# KiCad board Custom ESC.kicad_pcb (continued)
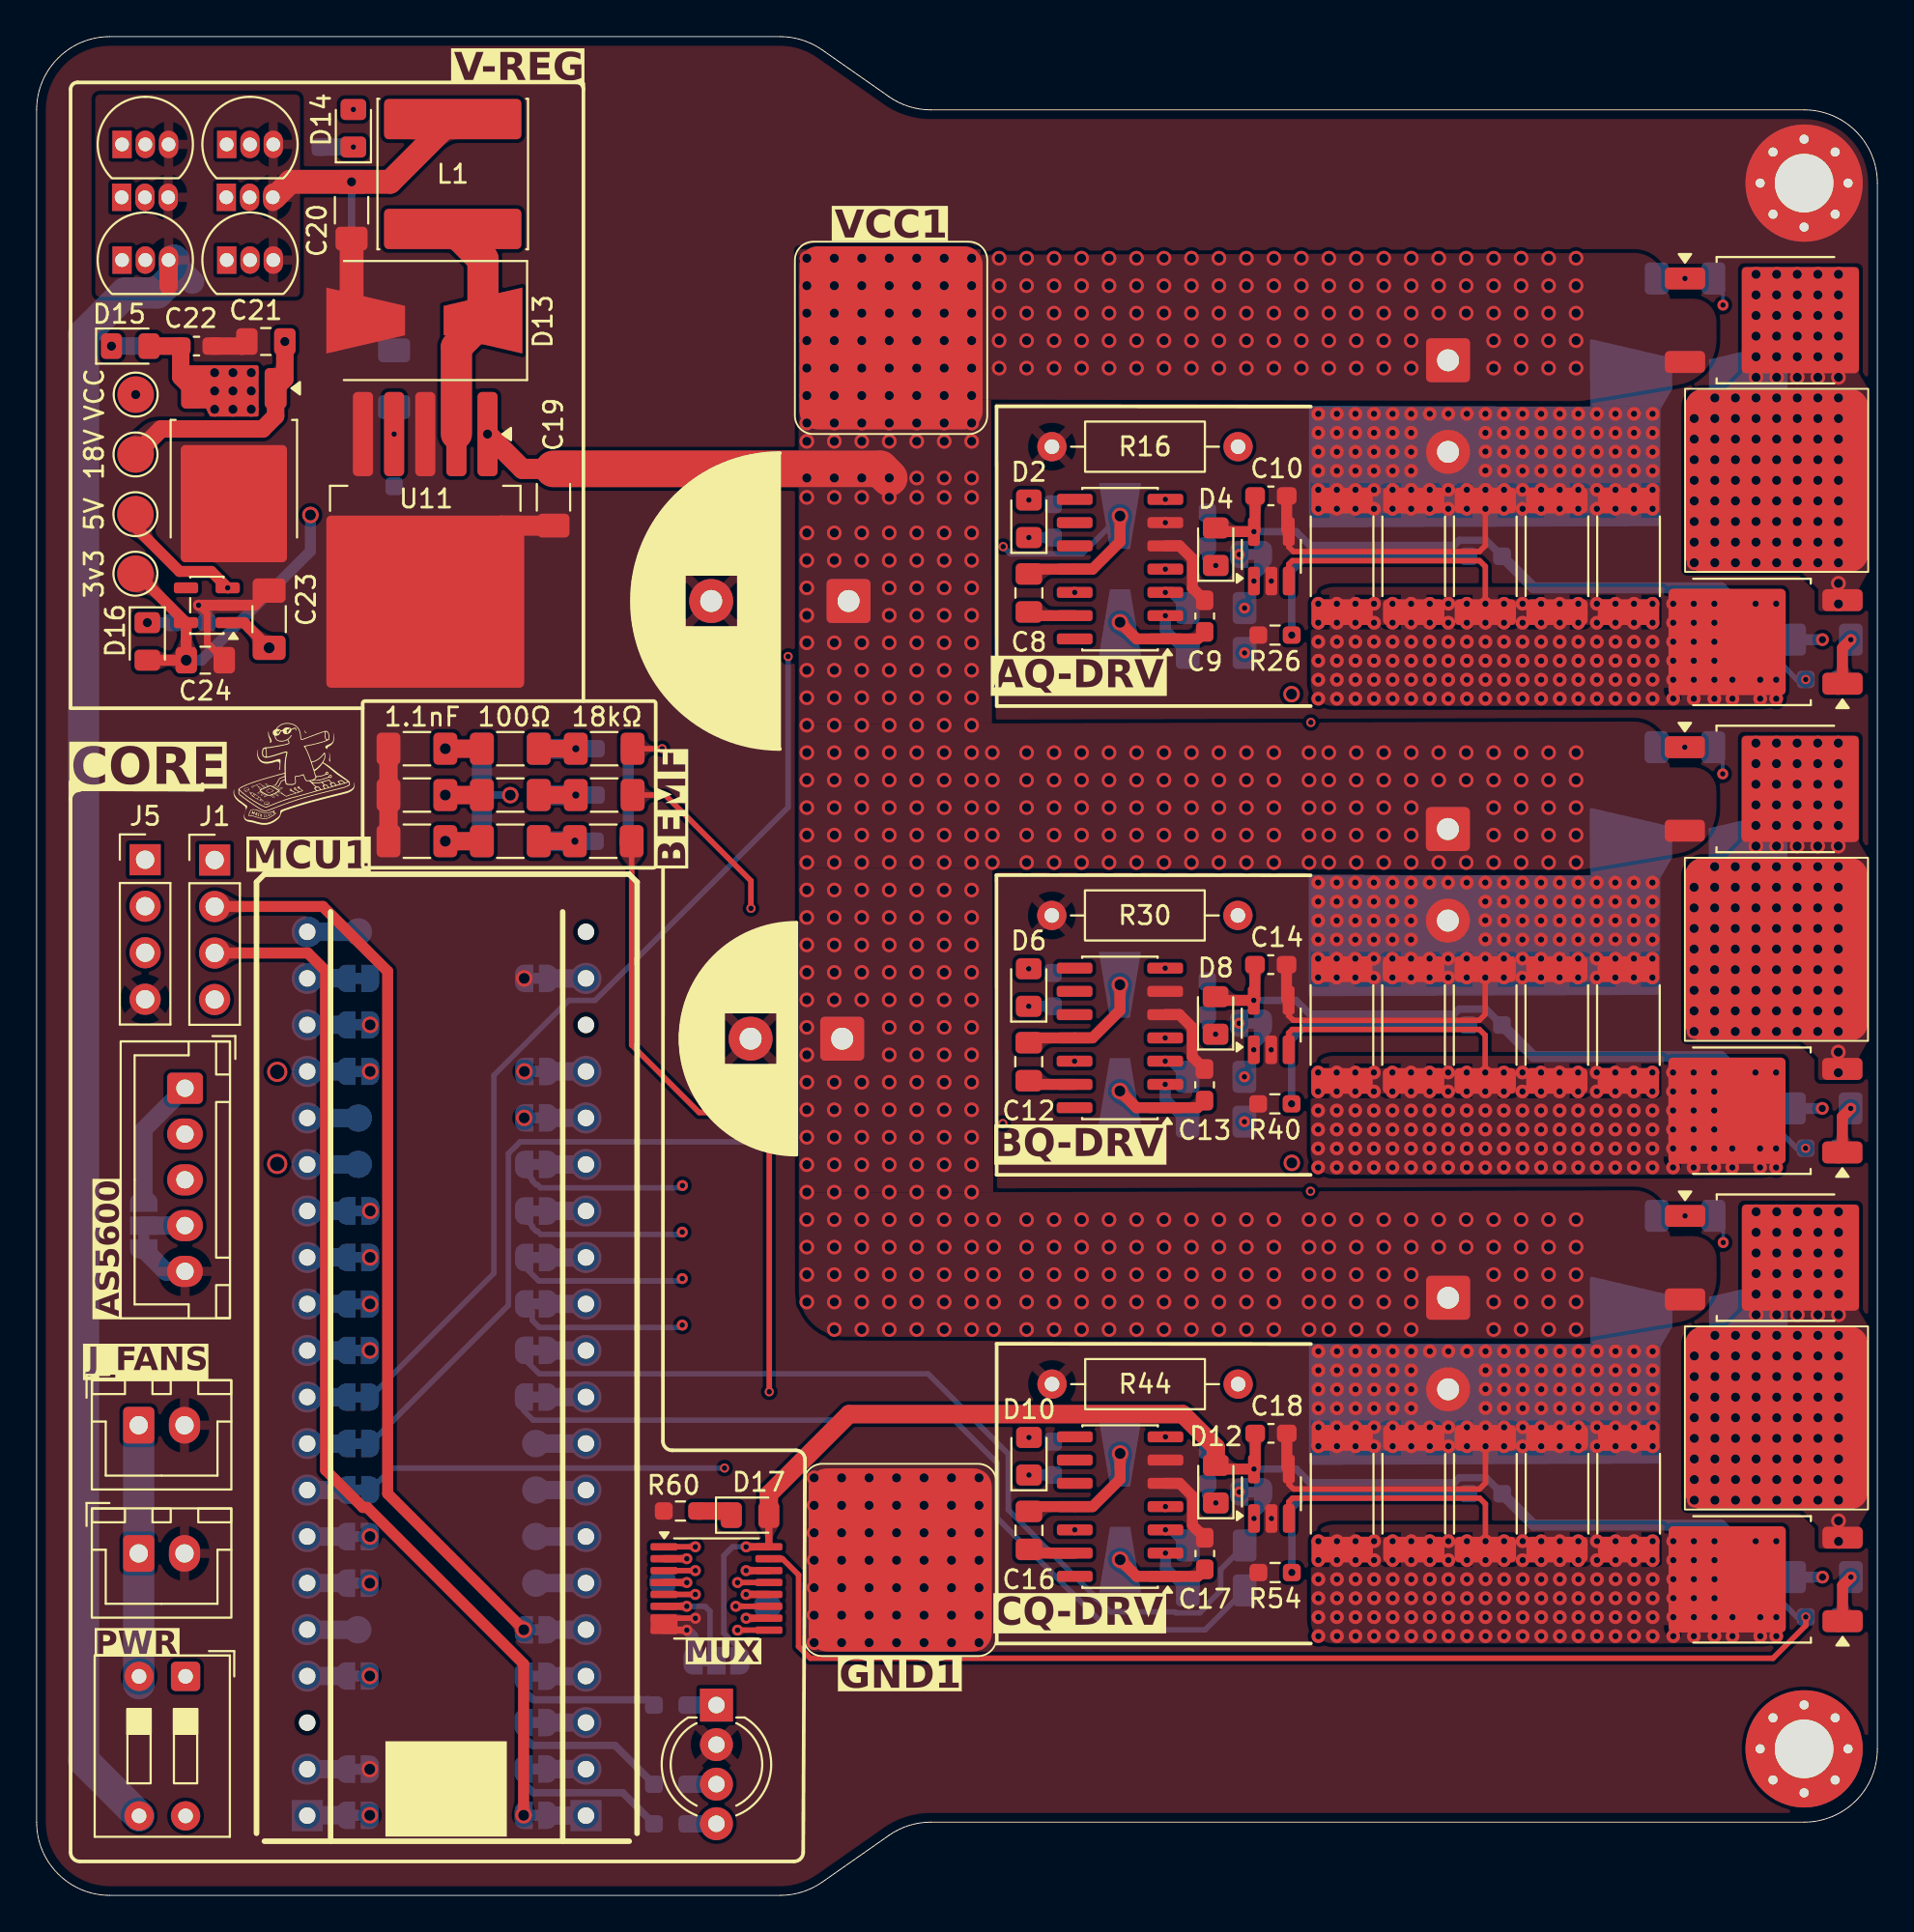
[diagram p0: board, top side]
## Routing (per net, layer and track width the routed paths; a pad name or vN(x,y) marks a point on that pad's centre or on a via; arc(x,y) is an arc through that point) (continued)
/A_BEMF: length 31.5
  Top w1: R4.1 v4(22.31,62.61)
  In2.Cu w0.4: v4(22.31,62.61) 20.1,60.4 20.1,36.73 v4(18.21,34.84)
/A_HIN: length 66.1
  In3.Cu w0.3: v3(35.25,36.22) 36.45,37.42 36.45,59.36 41.74,64.65 62.75,64.65 v3(65.95,67.85)
  Bottom w0.3: JP25.1 26.62,36.99 27.06,36.55 27.06,36.48 27.27,36.27 27.34,36.27 27.52,36.09 35.12,36.09 v3(35.25,36.22)
/A_I: length 78.4
  In2.Cu w0.3: v3(65.66,73.22) 65.61,73.27 56.82,73.27 52.75,69.2 52.75,68.1 52.3,67.65 v6(41.03,67.65)
  Bottom w0.3: v6(41.03,67.65) 41.03,59.42 30.49,48.87 29.05,48.87 24.97,44.79 24.97,33.97 JP17.1
/A_LIN: length 65.5
  In3.Cu w0.3: v3(35.26,38.76) 35.25,38.77 35.25,59.66 41.74,66.15 61.8,66.15 v3(65.95,70.3)
  Bottom w0.3: JP27.1 26.62,39.53 27.06,39.09 27.06,39.02 27.27,38.81 27.34,38.81 27.51,38.64 35.14,38.64 v3(35.26,38.76)
/A_PHASE: length 80.8
  Top w0.3: R5.2 v6(34.15,62.61)
  Top w0.6: C8.2 54.44,72.42 U1.11 57.65,72.42 59.15,73.92 v4(59.15,75.32)
  In2.Cu w0.3: v6(34.15,62.61) 34.15,72.48 35.32,73.65 v6(52.77,73.65)
  In2.Cu w0.95: 92.37,73.12 69.75,73.12 65.67,77.21 61.03,77.21 v4(59.15,75.32)
  Bottom w0.3: v6(52.77,73.65) 53.16,73.26 57.09,73.26 v4(59.15,75.32)
  vias: v2(90.5,80.65) v2(90.5,79.52) v2(90.5,78.4) v2(90.5,77.27) v2(90.5,76.15) v2(90.5,75.02) v2(90.5,73.9) v2(90.5,72.77) v2(91.62,81.77) v2(91.62,80.65) v2(91.62,79.52) v2(91.62,78.4) v2(91.62,77.27) v2(91.62,76.15) v2(91.62,75.02) v2(91.62,73.9) v2(91.62,72.77) v2(92.75,81.77) v2(92.75,80.65) v2(92.75,79.52) v2(92.75,78.4) v2(92.75,77.27) v2(92.75,76.15) v2(92.75,75.02) v2(92.75,73.9) v2(92.75,72.77) v2(93.88,88.52) v2(93.88,87.4) v2(93.88,86.27) v2(93.88,85.15) v2(93.88,84.02) v2(93.88,82.9) v2(93.88,81.77) v2(93.88,80.65) v2(93.88,79.52) v2(93.88,78.4) v2(93.88,77.27) v2(93.88,76.15) v2(93.88,75.02) v2(93.88,73.9) v2(93.88,72.77) v2(95,88.52) v2(95,87.4) v2(95,86.27) v2(95,85.15) v2(95,84.02) v2(95,82.9) v2(95,81.77) v2(95,80.65) v2(95,79.52) v2(95,78.4) v2(95,77.27) v2(95,76.15) v2(95,75.02) v2(95,73.9) v2(95,72.77) v2(96.12,88.52) v2(96.12,87.4) v2(96.12,86.27) v2(96.12,85.15) v2(96.12,84.02) v2(96.12,82.9) v2(96.12,81.77) v2(96.12,80.65) v2(96.12,79.52) v2(96.12,78.4) v2(96.12,77.27) v2(96.12,76.15) v2(96.12,75.02) v2(96.12,73.9) v2(96.12,72.77) v2(97.25,88.52) v2(97.25,87.4) v2(97.25,86.27) v2(97.25,85.15) v2(97.25,84.02) v2(97.25,82.9) v2(97.25,81.77) v2(97.25,80.65) v2(97.25,79.52) v2(97.25,78.4) v2(97.25,77.27) v2(97.25,76.15) v2(97.25,75.02) v2(97.25,73.9) v2(97.25,72.77) v2(98.38,88.52) v2(98.38,87.4) v2(98.38,86.27) v2(98.38,85.15) v2(98.38,84.02) v2(98.38,82.9) v2(98.38,81.77) v2(98.38,80.65) v2(98.38,79.52) v2(98.38,78.4) v2(98.38,77.27) v2(98.38,76.15) v2(98.38,75.02) v2(98.38,73.9) v2(98.38,72.77) v2(98.38,71.65) v2(98.38,70.52)
/A_Q1: length 126
  Top w0.4: v3(38.73,16.43) U16.12
  In2.Cu w0.3: v6(69.57,64.05) 66.54,64.05 60.27,70.32 58.05,70.32 52.38,64.65 41.74,64.65 39.33,62.24 39.33,60.6 33.83,55.1 33.83,15.24 35.23,13.83 36.23,13.83 37.1,14.7 37.1,15.63 37.9,16.43 v3(38.73,16.43)
  In3.Cu w0.3: v6(69.57,64.05) 95.01,64.05 96.59,65.63 v6(96.59,66.4)
  Bottom w0.3: 93.34,67.53 TH1.2 94.96,67.53 96.1,66.4 v6(96.59,66.4)
/A_Q2: length 94
  Top w0.3: v3(35.97,19.03) U16.1
  In2.Cu w0.3: v6(41.03,46.78) 41.03,42.95 39.2,41.12 36.17,41.12 34.33,39.28 34.33,20.67 v3(35.97,19.03)
  In3.Cu w0.3: v5(68.53,68.82) 62.85,63.15 41.74,63.15 41.03,62.44 v6(41.03,46.78)
  Bottom w0.4: v5(68.53,68.82) 68.53,72.34 69.31,73.12 78.18,73.12 TH2.2
/B_BEMF: length 31.5
  Top w1: R6.1 v4(22.31,60.08)
  In2.Cu w0.4: v4(22.31,60.08) 21.19,58.96 21.19,35.28 v4(18.2,32.29)
/B_HIN: length 45.7
  In3.Cu w0.3: v3(35.25,31.14) 36.42,32.31 36.42,33.83 41.74,39.15 62.84,39.15 v3(65.94,42.25)
  Bottom w0.3: JP20.1 27.06,31.86 27.06,31.4 27.46,31.01 35.12,31.01 v3(35.25,31.14)
/B_I: length 62.6
  In2.Cu w0.3: v6(52.75,42.15) 52.75,42.56 58.28,48.08 65.19,48.08 v3(65.65,47.62)
  In3.Cu w0.3: v6(41.03,41.15) 41.03,41.44 41.74,42.15 v6(52.75,42.15)
  Bottom w0.3: JP15.1 25.76,32.22 25.76,40.51 26.4,41.15 v6(41.03,41.15)
/B_LIN: length 45
  In3.Cu w0.3: v3(65.94,44.7) 61.89,40.65 41.74,40.65 35.25,34.16 v3(35.25,33.68)
  Bottom w0.3: JP22.1 26.62,34.35 27.42,33.55 35.12,33.55 v3(35.25,33.68)
/B_PHASE: length 75.5
  Top w0.3: R7.2 34.31,60.08 39,55.4 v6(39,53.9)
  Top w0.6: C12.2 54.43,46.82 U3.11 57.64,46.82 59.14,48.32 v4(59.14,49.72) ; 32.54,60.09 R7.2
  In2.Cu w0.3: v4(59.14,49.72) 59.07,49.65 41.74,49.65 40.84,50.55 40.84,52.06 v6(39,53.9)
  In2.Cu w0.95: v4(59.14,49.72) 61.03,51.61 65.66,51.61 69.74,47.52 92.36,47.52
  vias: v2(90.49,55.05) v2(90.49,53.92) v2(90.49,52.8) v2(90.49,51.67) v2(90.49,50.55) v2(90.49,49.42) v2(90.49,48.3) v2(90.49,47.17) v2(91.62,56.17) v2(91.62,55.05) v2(91.62,53.92) v2(91.62,52.8) v2(91.62,51.67) v2(91.62,50.55) v2(91.62,49.42) v2(91.62,48.3) v2(91.62,47.17) v2(92.74,56.17) v2(92.74,55.05) v2(92.74,53.92) v2(92.74,52.8) v2(92.74,51.67) v2(92.74,50.55) v2(92.74,49.42) v2(92.74,48.3) v2(92.74,47.17) v2(93.87,62.92) v2(93.87,61.8) v2(93.87,60.67) v2(93.87,59.55) v2(93.87,58.42) v2(93.87,57.3) v2(93.87,56.17) v2(93.87,55.05) v2(93.87,53.92) v2(93.87,52.8) v2(93.87,51.67) v2(93.87,50.55) v2(93.87,49.42) v2(93.87,48.3) v2(93.87,47.17) v2(94.99,62.92) v2(94.99,61.8) v2(94.99,60.67) v2(94.99,59.55) v2(94.99,58.42) v2(94.99,57.3) v2(94.99,56.17) v2(94.99,55.05) v2(94.99,53.92) v2(94.99,52.8) v2(94.99,51.67) v2(94.99,50.55) v2(94.99,49.42) v2(94.99,48.3) v2(94.99,47.17) v2(96.12,62.92) v2(96.12,61.8) v2(96.12,60.67) v2(96.12,59.55) v2(96.12,58.42) v2(96.12,57.3) v2(96.12,56.17) v2(96.12,55.05) v2(96.12,53.92) v2(96.12,52.8) v2(96.12,51.67) v2(96.12,50.55) v2(96.12,49.42) v2(96.12,48.3) v2(96.12,47.17) v2(97.24,62.92) v2(97.24,61.8) v2(97.24,60.67) v2(97.24,59.55) v2(97.24,58.42) v2(97.24,57.3) v2(97.24,56.17) v2(97.24,55.05) v2(97.24,53.92) v2(97.24,52.8) v2(97.24,51.67) v2(97.24,50.55) v2(97.24,49.42) v2(97.24,48.3) v2(97.24,47.17) v2(98.37,62.92) v2(98.37,61.8) v2(98.37,60.67) v2(98.37,59.55) v2(98.37,58.42) v2(98.37,57.3) v2(98.37,56.17) v2(98.37,55.05) v2(98.37,53.92) v2(98.37,52.8) v2(98.37,51.67) v2(98.37,50.55) v2(98.37,49.42) v2(98.37,48.3) v2(98.37,47.17) v2(98.37,46.05) v2(98.37,44.92)
/B_Q1: length 90.1
  Top w0.4: v3(38.73,17.73) U16.14
  In2.Cu w0.3: v6(69.55,38.45) 65.75,38.45 59.47,44.72 57.07,44.72 51.5,39.15 41.74,39.15 36.96,34.37 36.96,19.51 v3(38.73,17.73)
  In3.Cu w0.3: v6(96.58,40.8) 96.58,40.32 94.71,38.45 v6(69.55,38.45)
  Bottom w0.3: v6(96.58,40.8) 96.09,40.8 94.95,41.94 TH3.2 93.33,41.93
/B_Q2: length 69.3
  Top w0.3: v3(35.97,16.43) U16.5
  In3.Cu w0.3: v3(35.97,16.43) 35.23,16.43 34.85,16.81 34.85,22.88 34.85,22.88 34.85,23.78 34.85,28.62 37.45,31.22 37.45,33.36 41.74,37.65 62.94,37.65 v5(68.52,43.22)
  Bottom w0.4: TH4.2 78.17,47.52 69.3,47.52 68.52,46.74 v5(68.52,43.22)
/C_BEMF: length 31.5
  Top w1: R8.1 v4(22.31,57.56)
  In2.Cu w0.4: v4(22.31,57.56) 22.31,33.87 v4(18.2,29.76)
/C_HIN: length 47.7
  Bottom w0.3: JP16.1 26.61,26.46 27.11,25.95 50.1,25.95 52.45,23.6 52.45,20.6 58.55,14.5 63.8,14.5 R42.1
/C_I: length 49
  In2.Cu w0.3: v3(65.67,22.03) 65.39,22.3 53.91,22.3 52.32,23.9 38.12,23.9 v6(37.56,23.33)
  Bottom w0.3: JP14.1 19.41,23.33 v6(37.56,23.33)
/C_LIN: length 49.6
  Bottom w0.3: JP18.1 26.61,29.31 27.44,28.48 48.67,28.48 53.05,24.1 53.05,21.06 57.66,16.46 57.66,16.38 57.86,16.18 57.93,16.18 58.63,15.48 62.15,15.48 62.2,15.43 63.51,15.43 63.86,15.77 63.86,15.84 64.65,16.64 64.65,17.8 R43.1
/C_PHASE: length 98.2
  Top w0.3: R9.2 32.49,46.44 36.17,42.75 38.95,42.75 40,41.7 v6(40,27.5)
  Top w0.6: v4(59.16,24.13) 59.16,22.73 57.65,21.23 U5.11 54.44,21.23 C16.2
  In2.Cu w0.95: 92.38,21.93 69.75,21.93 65.67,26.01 61.04,26.01 v4(59.16,24.13)
  In3.Cu w0.3: v4(59.16,24.13) 57.6,24.13 54.23,27.5 v6(40,27.5)
  vias: v2(90.5,29.45) v2(90.5,28.33) v2(90.5,27.2) v2(90.5,26.08) v2(90.5,24.95) v2(90.5,23.83) v2(90.5,22.7) v2(90.5,21.58) v2(91.63,30.58) v2(91.63,29.45) v2(91.63,28.33) v2(91.63,27.2) v2(91.63,26.08) v2(91.63,24.95) v2(91.63,23.83) v2(91.63,22.7) v2(91.63,21.58) v2(92.75,30.58) v2(92.75,29.45) v2(92.75,28.33) v2(92.75,27.2) v2(92.75,26.08) v2(92.75,24.95) v2(92.75,23.83) v2(92.75,22.7) v2(92.75,21.58) v2(93.88,37.33) v2(93.88,36.2) v2(93.88,35.08) v2(93.88,33.95) v2(93.88,32.83) v2(93.88,31.7) v2(93.88,30.58) v2(93.88,29.45) v2(93.88,28.33) v2(93.88,27.2) v2(93.88,26.08) v2(93.88,24.95) v2(93.88,23.83) v2(93.88,22.7) v2(93.88,21.58) v2(95,37.33) v2(95,36.2) v2(95,35.08) v2(95,33.95) v2(95,32.83) v2(95,31.7) v2(95,30.58) v2(95,29.45) v2(95,28.33) v2(95,27.2) v2(95,26.08) v2(95,24.95) v2(95,23.83) v2(95,22.7) v2(95,21.58) v2(96.13,37.33) v2(96.13,36.2) v2(96.13,35.08) v2(96.13,33.95) v2(96.13,32.83) v2(96.13,31.7) v2(96.13,30.58) v2(96.13,29.45) v2(96.13,28.33) v2(96.13,27.2) v2(96.13,26.08) v2(96.13,24.95) v2(96.13,23.83) v2(96.13,22.7) v2(96.13,21.58) v2(97.25,37.33) v2(97.25,36.2) v2(97.25,35.08) v2(97.25,33.95) v2(97.25,32.83) v2(97.25,31.7) v2(97.25,30.58) v2(97.25,29.45) v2(97.25,28.33) v2(97.25,27.2) v2(97.25,26.08) v2(97.25,24.95) v2(97.25,23.83) v2(97.25,22.7) v2(97.25,21.58) v2(98.38,37.33) v2(98.38,36.2) v2(98.38,35.08) v2(98.38,33.95) v2(98.38,32.83) v2(98.38,31.7) v2(98.38,30.58) v2(98.38,29.45) v2(98.38,28.33) v2(98.38,27.2) v2(98.38,26.08) v2(98.38,24.95) v2(98.38,23.83) v2(98.38,22.7) v2(98.38,21.58) v2(98.38,20.45) v2(98.38,19.33)
/C_Q1: length 66.1
  Top w0.3: U16.15 40.72,18.38 41.6,17.5 41.6,13.59 42.24,12.95 94.8,12.95 96.59,14.74 v6(96.59,15.2)
  Bottom w0.3: v6(96.59,15.2) 96.1,15.2 94.97,16.34 TH5.2 93.34,16.34
/C_Q2: length 53.3
  Top w0.4: v3(35.5,18.38) U16.2
  In3.Cu w0.3: v3(35.5,18.38) 39,18.38 41.6,15.79 41.6,13.59 42.24,12.95 63.85,12.95 v5(68.53,17.63)
  Bottom w0.4: TH6.2 78.19,21.93 69.31,21.93 68.53,21.14 v5(68.53,17.63)
/CORE/A8: length 49.9
  Top w0.6: J1.2 15.63,54 19.17,50.46 19.17,21.94 v4(26.6,14.5)
/CORE/B10: length 42.8
  In2.Cu w0.6: v7(13.13,39.94) 13.13,44.97 v7(13.14,44.97)
  In3.Cu w0.6: v7(13.14,44.97) 13.14,46.71 10.93,48.92 J1.4 ; v4(18.19,11.98) 16.93,13.24 14.09,13.24 13.13,14.2 v7(13.13,39.94)
/CORE/B12: length 57.2
  Top w0.6: J1.3 14.8,51.46 15.78,50.49 15.78,23.22 17.82,21.18 18.04,21.18 26.59,12.64 v4(26.59,4.37)
/CORE/BLUE: length 8.8
  Bottom w0.4: JP6.1 26.59,6.14 27.13,5.6 32.01,5.6 R63.2
/CORE/fan+: length 13.7
  In3.Cu w1.7: 5.57,11.58 5.59,11.56
  Bottom w1.7: 5.57,25.27 5.57,11.58 5.59,11.56
/CORE/GREEN: length 9
  Bottom w0.4: R62.2 31.59,8.18 27.09,8.18 26.59,8.68 JP8.1
/CORE/MUX_A: length 54.4
  Top w0.4: v3(38.73,15.13) U16.10
  In3.Cu w0.4: v4(18.21,44.99) 19.11,45.89 30.36,45.89 30.89,45.37 30.89,16.51 34.33,13.06 37.84,13.06 38.97,14.19 38.97,14.9 v3(38.73,15.13)
/CORE/MUX_B: length 54.2
  Top w0.3: v3(38.27,14.48) U16.9
  In3.Cu w0.4: v3(38.27,14.48) 37.57,13.78 35.21,13.78 31.88,17.11 31.88,46.91 30.36,48.43 19.11,48.43 v4(18.21,47.54)
/CORE/Q1_TEMP: length 31
  Top w0.3: v3(38.27,17.08) U16.13
  In3.Cu w0.3: v4(18.2,19.59) 21.59,16.2 29.63,16.2 33.51,12.32 38.24,12.32 39.52,13.6 39.52,16.57 39,17.08 v3(38.27,17.08)
/CORE/Q2_TEMP: length 19.9
  Top w0.3: v3(35.97,17.73) U16.3
  In4.Cu w0.3: v3(35.97,17.73) 30.51,17.73 30.34,17.9 19.05,17.9 v4(18.19,17.05)
/CORE/RED: length 8.2
  Bottom w0.4: R61.2 33.41,10.68 27.12,10.68 26.59,11.21 JP9.1
/CORE/SCL: length 35
  In3.Cu w0.6: v4(26.63,44.99) 25.36,43.72 10.25,43.72 J3.2 7.43,41.57 6.07,42.93 6.07,46.68 7.62,48.23 7.62,52.31 J5.2
/CORE/SDA: length 35.8
  In3.Cu w0.6: J5.3 4.22,49.77 4.22,40.92 6.07,39.07 J3.3 10.2,41.17 25.34,41.17 v4(26.62,42.46)
Vdrive: length 114.1
  Top w1: 7.2,87.88 U13.3
  Top w1.3: 13,92.73 13.85,93.57 v2(17.19,93.57) 19.29,93.57 L1.2
  Bottom w0.4: R55.2 17.19,86.7 v2(17.19,93.57)
  Bottom w1.3: 8.5,88.1 7.31,89.3
  Bottom w1.7: SW1.3 2.56,7.37 2.56,85.23 4.83,87.5 6.59,87.5 7.51,88.42 7.51,89.3
VN: length 41.1
  In2.Cu w0.4: v4(25.86,60.08) 25.86,61.55 23.94,63.47 20.83,63.47 19.06,61.69 19.06,38.22 v4(18.22,37.38)
  Bottom w0.4: v4(25.86,60.08) 24.32,60.08 R2.1
  Bottom w1.1: R1.1 R3.1
Net-(D2-K): length 1.3
  Bottom w0.6: R18.2 v3(54.17,74.15)
Net-(D4-K): length 1.2
  Bottom w0.6: R24.2 63.92,73.07 v3(64.38,72.62)
Net-(D6-K): length 1.3
  Bottom w0.6: R32.2 v3(54.17,48.55)
Net-(D8-K): length 1.2
  Bottom w0.6: R38.2 63.92,47.47 v3(64.37,47.02)
Net-(D10-K): length 1.3
  Bottom w0.6: R46.2 v3(54.18,22.95)
Net-(D12-K): length 1.2
  Bottom w0.6: R52.2 63.93,21.88 v3(64.38,21.43)
Net-(D13-K): length 12.5
  Top w1.7: L1.1 24.37,89.35 D13.1 22.92,84.55 U11.2
Net-(D14-K): length 1.8
  Bottom w0.95: R57.2 15.49,95.47 v3(17.29,95.47)
Net-(D15-K): length 1.3
  Bottom w0.95: R58.2 v2(4.08,84.6)
Net-(D16-K): length 1.4
  Bottom w0.6: v2(6.04,69.5) R59.2
Net-(D17-K): length 2
  Top w0.95: R60.2 37.7,20.99 D17.1
Net-(D18-BK): length 1.6
  Bottom w0.95: 37.12,3.91 D18.4 37.11,3.91 R63.1
Net-(D18-GK): length 1.6
  Bottom w0.95: 37.12,6.07 D18.3 35.53,6.07 R62.1
Net-(D18-RK): length 1.6
  Bottom w0.95: D18.1 35.53,10.39 R61.1
Net-(J3-DIR): length 2.2
  Bottom w1: J3.4 JP34.2
Net-(JP1-A): length 1.7
  Bottom w0.6: JP1.1 66.96,72.56 66.46,72.06 v3(66.46,71.77) 66.46,71.77
Net-(JP2-A): length 1.7
  Bottom w0.6: JP2.1 66.95,46.96 66.45,46.46 v3(66.45,46.17) 66.45,46.18
Net-(JP3-A): length 1.7
  Bottom w0.6: 66.47,20.58 v3(66.47,20.58) 66.47,20.87 66.97,21.37 JP3.1
Net-(JP4-B): length 2.1
  Bottom w1: JP4.2 27.91,4.35 MCU1.1
Net-(JP5-A): length 13
  In3.Cu w0.95: 8.13,11.56 13.97,5.72 16.84,5.72 v4(18.19,4.37)
Net-(JP5-B): length 2.1
  Bottom w1: JP5.2 14.8,4.37 MCU1.40
Net-(JP6-B): length 2.1
  Bottom w1: JP6.2 29.98,6.9 MCU1.2
Net-(JP7-B): length 2.1
  Bottom w1: MCU1.39 16.89,6.89 JP7.2
Net-(JP8-B): length 2.1
  Bottom w1: MCU1.3 27.89,9.43 JP8.2
Net-(JP9-B): length 2.1
  Bottom w1: JP9.2 29.98,11.97 MCU1.4
Net-(JP10-B): length 2.1
  Bottom w1: JP10.2 14.78,11.98 MCU1.37
Net-(JP11-B): length 2.1
  Bottom w1: JP11.2 29.98,14.5 MCU1.5
Net-(JP12-B): length 2.1
  Bottom w1: JP12.2 16.89,17.05 MCU1.35
Net-(JP13-B): length 2.1
  Bottom w1: JP13.2 MCU1.34
Net-(JP14-B): length 2.1
  Bottom w1: MCU1.33 JP14.2
Net-(JP15-B): length 2.1
  Bottom w1: MCU1.32 14.78,24.67 JP15.2
Net-(JP16-B): length 2.1
  Bottom w1: JP16.2 MCU1.10
Net-(JP17-B): length 2.1
  Bottom w1: JP17.2 14.78,27.21 MCU1.31
Net-(JP18-B): length 2.1
  Bottom w1: MCU1.11 27.92,29.75 JP18.2
Net-(JP19-B): length 2.1
  Bottom w1: MCU1.30 14.78,29.76 JP19.2
Net-(JP20-B): length 2.1
  Bottom w1: MCU1.12 29.98,32.3 JP20.2
Net-(JP21-B): length 2.1
  Bottom w1: JP21.2 MCU1.29
Net-(JP22-B): length 2.1
  Bottom w1: MCU1.13 JP22.2
Net-(JP23-B): length 2.1
  Bottom w1: MCU1.28 14.78,34.84 JP23.2
Net-(JP24-C): length 5.5
  Top w0.4: v3(35.5,15.78) U16.6
  Bottom w0.3: JP24.2 36.76,13.17 36.76,15.52 36.5,15.78 v3(35.5,15.78)
Net-(JP25-B): length 2.1
  Bottom w1: MCU1.14 JP25.2
Net-(JP26-B): length 2.1
  Bottom w1: MCU1.27 14.78,37.38 JP26.2
Net-(JP27-B): length 2.1
  Bottom w1: MCU1.15 JP27.2
Net-(JP28-B): length 2.1
  Bottom w1: JP28.2 29.99,42.46 MCU1.16
Net-(JP29-B): length 2.1
  Bottom w1: JP29.2 MCU1.17
Net-(JP30-B): length 2.1
  Bottom w1: JP30.2 MCU1.24
Net-(JP31-B): length 2.1
  Bottom w1: JP31.2 14.78,47.54 MCU1.23
Net-(JP32-B): length 2.1
  Bottom w1: JP32.2 MCU1.19
Net-(JP33-B): length 2.1
  Bottom w1: JP33.2 MCU1.22
Net-(MCU1A-PA0): length 2.8
  Bottom w1: TP6.1 14.78,39.92 MCU1.26
Net-(MCU1A-PA9): length 2.7
  Bottom w1: TP2.1 MCU1.6
Net-(MCU1A-PA10): length 2.7
  Bottom w1: MCU1.7 TP3.1
Net-(MCU1A-PA11): length 2.7
  Bottom w1: TP4.1 MCU1.8
Net-(MCU1A-PA12): length 2.7
  Bottom w1: TP5.1 MCU1.9
Net-(MCU1A-PB2): length 2.8
  Bottom w1: TP1.1 14.78,14.5 MCU1.36
Net-(MCU1A-RST): length 2.8
  Bottom w1: TP7.1 17.55,42.45 MCU1.25
Net-(MCU1A-VBAT): length 2.8
  Bottom w1: TP8.1 MCU1.21
Net-(Q1-G): length 1.5
  Bottom w0.4: v3(90,88.3) R13.2
Net-(Q2-G): length 2.6
  Top w0.6: Q2.1 98.59,68.12 v3(99.05,68.57)
  Top w1.2: 98.37,66.16 98.38,66.17
Net-(Q2-S): length 14.4
  Top w0.3: R21.1 79.09,72.57 78.78,72.88 68.56,72.88 68.36,72.68 U2.3
  vias: v1(69.97,70.53) v1(69.97,69.49) v1(69.97,68.46) v1(69.97,67.42) v1(69.97,66.38) v1(69.97,65.35) v1(70.99,70.53) v1(70.99,69.49) v1(70.99,68.46) v1(70.99,67.42) v1(70.99,66.38) v1(70.99,65.35) v1(72,70.53) v1(72,69.49) v1(72,68.46) v1(72,67.42) v1(72,66.38) v1(72,65.35) v1(73.02,70.53) v1(73.02,69.49) v1(73.02,68.46) v1(73.02,67.42) v1(73.02,66.38) v1(73.02,65.35) v1(74.03,70.53) v1(74.03,69.49) v1(74.03,68.46) v1(74.03,67.42) v1(74.03,66.38) v1(74.03,65.35) v1(75.05,70.53) v1(75.05,69.49) v1(75.05,68.46) v1(75.05,67.42) v1(75.05,66.38) v1(75.05,65.35) v1(76.06,70.53) v1(76.06,69.49) v1(76.06,68.46) v1(76.06,67.42) v1(76.06,66.38) v1(76.06,65.35) v1(77.07,70.53) v1(77.07,69.49) v1(77.07,68.46) v1(77.07,67.42) v1(77.07,66.38) v1(77.07,65.35) v1(78.09,70.53) v1(78.09,69.49) v1(78.09,68.46) v1(78.09,67.42) v1(78.09,66.38) v1(78.09,65.35) v1(79.1,70.53) v1(79.1,69.49) v1(79.1,68.46) v1(79.1,67.42) v1(79.1,66.38) v1(79.1,65.35) v1(80.12,70.53) v1(80.12,69.49) v1(80.12,68.46) v1(80.12,67.42) v1(80.12,66.38) v1(80.12,65.35) v1(81.13,70.53) v1(81.13,69.49) v1(81.13,68.46) v1(81.13,67.42) v1(81.13,66.38) v1(81.13,65.35) v1(82.14,70.53) v1(82.14,69.49) v1(82.14,68.46) v1(82.14,67.42) v1(82.14,66.38) v1(82.14,65.35) v1(83.16,70.53) v1(83.16,69.49) v1(83.16,68.46) v1(83.16,67.42) v1(83.16,66.38) v1(83.16,65.35) v1(84.17,70.53) v1(84.17,69.49) v1(84.17,68.46) v1(84.17,67.42) v1(84.17,66.38) v1(84.17,65.35) v1(85.19,70.53) v1(85.19,69.49) v1(85.19,68.46) v1(85.19,67.42) v1(85.19,66.38) v1(85.19,65.35) v1(86.2,70.53) v1(86.2,69.49) v1(86.2,68.46) v1(86.2,67.42) v1(86.2,66.38) v1(86.2,65.35) v1(87.21,70.53) v1(87.21,69.49) v1(87.21,68.46) v1(87.21,67.42) v1(87.21,66.38) v1(87.21,65.35) v1(88.23,70.53) v1(88.23,69.49) v1(88.23,68.46) v1(88.23,67.42) v1(88.23,66.38) v1(88.23,65.35) v1(89.35,70.53) v1(89.35,69.49) v1(89.35,68.46) v1(89.35,67.42) v1(89.35,66.38) v1(89.35,65.35) v1(90.48,70.53) v1(90.48,69.49) v1(90.48,68.46) v1(90.48,67.42) v1(90.48,66.38) v1(90.48,65.35) v1(91.6,70.53) v1(91.6,69.49) v1(91.6,68.46) v1(91.6,67.42) v1(91.6,66.38) v1(91.6,65.35) v1(92.59,66.38) v1(92.59,65.35) v1(93.85,70.53) v1(94.1,66.38) v1(94.1,65.35) v1(94.98,70.53) v1(94.98,66.38) v1(94.98,65.35)
Net-(Q3-G): length 1.5
  Bottom w0.4: v3(89.99,62.7) R27.2
Net-(Q4-G): length 2.6
  Top w0.6: Q4.1 98.59,42.52 v3(99.04,42.97)
  Top w1.2: 98.36,40.56 98.37,40.57
Net-(Q4-S): length 14.4
  Top w0.3: U4.3 68.35,47.09 68.55,47.28 78.77,47.28 79.09,46.97 R35.1
  vias: v1(69.97,44.93) v1(69.97,43.9) v1(69.97,42.86) v1(69.97,41.82) v1(69.97,40.79) v1(69.97,39.75) v1(70.98,44.93) v1(70.98,43.9) v1(70.98,42.86) v1(70.98,41.82) v1(70.98,40.79) v1(70.98,39.75) v1(72,44.93) v1(72,43.9) v1(72,42.86) v1(72,41.82) v1(72,40.79) v1(72,39.75) v1(73.01,44.93) v1(73.01,43.9) v1(73.01,42.86) v1(73.01,41.82) v1(73.01,40.79) v1(73.01,39.75) v1(74.02,44.93) v1(74.02,43.9) v1(74.02,42.86) v1(74.02,41.82) v1(74.02,40.79) v1(74.02,39.75) v1(75.04,44.93) v1(75.04,43.9) v1(75.04,42.86) v1(75.04,41.82) v1(75.04,40.79) v1(75.04,39.75) v1(76.05,44.93) v1(76.05,43.9) v1(76.05,42.86) v1(76.05,41.82) v1(76.05,40.79) v1(76.05,39.75) v1(77.07,44.93) v1(77.07,43.9) v1(77.07,42.86) v1(77.07,41.82) v1(77.07,40.79) v1(77.07,39.75) v1(78.08,44.93) v1(78.08,43.9) v1(78.08,42.86) v1(78.08,41.82) v1(78.08,40.79) v1(78.08,39.75) v1(79.09,44.93) v1(79.09,43.9) v1(79.09,42.86) v1(79.09,41.82) v1(79.09,40.79) v1(79.09,39.75) v1(80.11,44.93) v1(80.11,43.9) v1(80.11,42.86) v1(80.11,41.82) v1(80.11,40.79) v1(80.11,39.75) v1(81.12,44.93) v1(81.12,43.9) v1(81.12,42.86) v1(81.12,41.82) v1(81.12,40.79) v1(81.12,39.75) v1(82.14,44.93) v1(82.14,43.9) v1(82.14,42.86) v1(82.14,41.82) v1(82.14,40.79) v1(82.14,39.75) v1(83.15,44.93) v1(83.15,43.9) v1(83.15,42.86) v1(83.15,41.82) v1(83.15,40.79) v1(83.15,39.75) v1(84.16,44.93) v1(84.16,43.9) v1(84.16,42.86) v1(84.16,41.82) v1(84.16,40.79) v1(84.16,39.75) v1(85.18,44.93) v1(85.18,43.9) v1(85.18,42.86) v1(85.18,41.82) v1(85.18,40.79) v1(85.18,39.75) v1(86.19,44.93) v1(86.19,43.9) v1(86.19,42.86) v1(86.19,41.82) v1(86.19,40.79) v1(86.19,39.75) v1(87.21,44.93) v1(87.21,43.9) v1(87.21,42.86) v1(87.21,41.82) v1(87.21,40.79) v1(87.21,39.75) v1(88.22,44.93) v1(88.22,43.9) v1(88.22,42.86) v1(88.22,41.82) v1(88.22,40.79) v1(88.22,39.75) v1(89.34,44.93) v1(89.34,43.9) v1(89.34,42.86) v1(89.34,41.82) v1(89.34,40.79) v1(89.34,39.75) v1(90.47,44.93) v1(90.47,43.9) v1(90.47,42.86) v1(90.47,41.82) v1(90.47,40.79) v1(90.47,39.75) v1(91.59,44.93) v1(91.59,43.9) v1(91.59,42.86) v1(91.59,41.82) v1(91.59,40.79) v1(91.59,39.75) v1(92.58,40.79) v1(92.58,39.75) v1(93.84,44.93) v1(94.09,40.79) v1(94.09,39.75) v1(94.97,44.93) v1(94.97,40.79) v1(94.97,39.75)
Net-(Q5-G): length 1.5
  Bottom w0.4: v3(90,37.1) 88.46,37.1
Net-(Q6-G): length 2.6
  Top w0.6: v3(99.06,17.38) 98.6,16.92 Q6.1
  Top w1.2: 98.37,14.97 98.38,14.97
Net-(Q6-S): length 14.4
  Top w0.3: U6.3 68.37,21.49 68.56,21.69 78.78,21.69 79.1,21.37 R49.1
  vias: v1(69.98,19.34) v1(69.98,18.3) v1(69.98,17.27) v1(69.98,16.23) v1(69.98,15.19) v1(69.98,14.15) v1(70.99,19.34) v1(70.99,18.3) v1(70.99,17.27) v1(70.99,16.23) v1(70.99,15.19) v1(70.99,14.15) v1(72.01,19.34) v1(72.01,18.3) v1(72.01,17.27) v1(72.01,16.23) v1(72.01,15.19) v1(72.01,14.15) v1(73.02,19.34) v1(73.02,18.3) v1(73.02,17.27) v1(73.02,16.23) v1(73.02,15.19) v1(73.02,14.15) v1(74.04,19.34) v1(74.04,18.3) v1(74.04,17.27) v1(74.04,16.23) v1(74.04,15.19) v1(74.04,14.15) v1(75.05,19.34) v1(75.05,18.3) v1(75.05,17.27) v1(75.05,16.23) v1(75.05,15.19) v1(75.05,14.15) v1(76.06,19.34) v1(76.06,18.3) v1(76.06,17.27) v1(76.06,16.23) v1(76.06,15.19) v1(76.06,14.15) v1(77.08,19.34) v1(77.08,18.3) v1(77.08,17.27) v1(77.08,16.23) v1(77.08,15.19) v1(77.08,14.15) v1(78.09,19.34) v1(78.09,18.3) v1(78.09,17.27) v1(78.09,16.23) v1(78.09,15.19) v1(78.09,14.15) v1(79.11,19.34) v1(79.11,18.3) v1(79.11,17.27) v1(79.11,16.23) v1(79.11,15.19) v1(79.11,14.15) v1(80.12,19.34) v1(80.12,18.3) v1(80.12,17.27) v1(80.12,16.23) v1(80.12,15.19) v1(80.12,14.15) v1(81.13,19.34) v1(81.13,18.3) v1(81.13,17.27) v1(81.13,16.23) v1(81.13,15.19) v1(81.13,14.15) v1(82.15,19.34) v1(82.15,18.3) v1(82.15,17.27) v1(82.15,16.23) v1(82.15,15.19) v1(82.15,14.15) v1(83.16,19.34) v1(83.16,18.3) v1(83.16,17.27) v1(83.16,16.23) v1(83.16,15.19) v1(83.16,14.15) v1(84.18,19.34) v1(84.18,18.3) v1(84.18,17.27) v1(84.18,16.23) v1(84.18,15.19) v1(84.18,14.15) v1(85.19,19.34) v1(85.19,18.3) v1(85.19,17.27) v1(85.19,16.23) v1(85.19,15.19) v1(85.19,14.15) v1(86.2,19.34) v1(86.2,18.3) v1(86.2,17.27) v1(86.2,16.23) v1(86.2,15.19) v1(86.2,14.15) v1(87.22,19.34) v1(87.22,18.3) v1(87.22,17.27) v1(87.22,16.23) v1(87.22,15.19) v1(87.22,14.15) v1(88.23,19.34) v1(88.23,18.3) v1(88.23,17.27) v1(88.23,16.23) v1(88.23,15.19) v1(88.23,14.15) v1(89.36,19.34) v1(89.36,18.3) v1(89.36,17.27) v1(89.36,16.23) v1(89.36,15.19) v1(89.36,14.15) v1(90.48,19.34) v1(90.48,18.3) v1(90.48,17.27) v1(90.48,16.23) v1(90.48,15.19) v1(90.48,14.15) v1(91.61,19.34) v1(91.61,18.3) v1(91.61,17.27) v1(91.61,16.23) v1(91.61,15.19) v1(91.61,14.15) v1(92.59,15.19) v1(92.59,14.15) v1(93.86,19.34) v1(94.11,15.19) v1(94.11,14.15) v1(94.98,19.34) v1(94.98,15.19) v1(94.98,14.15)
Net-(R1-Pad2): length 5.1
  Top w0.95: R4.2 v5(29.44,62.61)
  Bottom w0.95: v5(29.44,62.61) R10.2
  Bottom w1.1: R4.2 v5(29.44,62.61)
Net-(R11-Pad2): length 5.1
  Top w0.95: R6.2 v5(29.44,60.08)
  Bottom w0.95: R11.2 v5(29.44,60.08)
  Bottom w1.1: R6.2 v5(29.44,60.08)
Net-(R12-Pad2): length 5
  Top w0.95: R8.2 v5(29.39,57.56)
  Bottom w0.95: R12.2 v5(29.39,57.56)
  Bottom w1.1: R8.2 v5(29.39,57.56)
Net-(U1-DT): length 8.3
  In3.Cu w0.6: v3(61.62,72.42) 61.62,72.58 65.59,76.54 R16.2
Net-(U1-HIN): length 2.5
  Bottom w0.6: v3(61.62,69.88) 61.62,69.07 R14.2
Net-(U1-HO): length 52.6
  In3.Cu w0.3: v3(92.07,86.84) 92.07,84.11 90.76,82.8 89.35,82.8 89.35,74.17 88.3,73.12 66.48,73.12 62.03,68.67 58.7,68.67 56.67,70.7 v3(56.67,71.15)
  Bottom w0.2: 91.56,88.29 R13.1 92.07,87.78 v3(92.07,86.84)
Net-(U1-LO): length 41.2
  In4.Cu w0.4: v5(97.5,68.57) 96.05,70.02 96.05,70.97 95.2,71.82 89.6,71.82 88.3,73.12 69.95,73.12 66.84,76.23 v3(61.62,76.23)
  Bottom w0.6: v5(97.5,68.57) R17.1
Net-(U1-VB): length 2.6
  Top w0.6: U1.13 54.38,69.88 C8.1
Net-(U1-~{LIN}): length 1.6
  Bottom w0.6: v3(61.62,71.15) 62,71.15 R15.2
Net-(U3-DT): length 8.3
  In3.Cu w0.6: v3(61.62,46.82) 61.62,48.32 65.59,52.29 R30.2
Net-(U3-HIN): length 2.5
  Bottom w0.6: v3(61.62,44.28) 61.62,43.47 R28.2
Net-(U3-HO): length 52.5
  In3.Cu w0.3: v3(56.67,45.55) 56.67,45.1 58.69,43.07 62.06,43.07 66.51,47.52 88.29,47.52 89.34,48.57 89.34,57.2 90.75,57.2 92.06,58.51 92.06,61.24 v3(92.06,61.24)
  Bottom w0.2: v3(92.06,61.24) 92.06,62.18 R27.1
Net-(U3-LO): length 41.2
  In4.Cu w0.4: v5(97.49,42.97) 96.04,44.42 96.04,45.37 95.19,46.22 89.59,46.22 88.29,47.52 69.94,47.52 66.83,50.63 v3(61.62,50.63)
  Bottom w0.6: v5(97.49,42.97) R31.1
Net-(U3-VB): length 2.6
  Top w0.6: C12.1 54.37,44.28 U3.13
Net-(U3-~{LIN}): length 1.6
  Bottom w0.6: R29.2 61.99,45.55 v3(61.62,45.55)
Net-(U5-DT): length 8.3
  In3.Cu w0.6: R44.2 65.6,26.7 61.63,22.73 v3(61.63,21.23)
Net-(U5-HIN): length 2.5
  Bottom w0.6: v3(61.63,18.69) 61.63,17.88 R42.2
Net-(U5-HO): length 52.5
  In3.Cu w0.3: v3(56.68,19.96) 56.68,19.5 58.7,17.48 62.04,17.48 66.49,21.93 88.31,21.93 89.35,22.98 89.35,31.61 90.76,31.61 92.07,32.92 92.07,35.64 v3(92.08,35.65)
  Bottom w0.2: v3(92.08,35.65) 92.08,36.57 R41.1
Net-(U5-LO): length 41.2
  In4.Cu w0.4: v3(61.63,25.04) 66.84,25.04 69.95,21.93 88.31,21.93 89.6,20.63 95.21,20.63 96.06,19.78 96.06,18.83 v5(97.5,17.38)
  Bottom w0.6: v5(97.5,17.38) 95.96,17.38
Net-(U5-VB): length 2.6
  Top w0.6: C16.1 54.38,18.69 U5.13
Net-(U5-~{LIN}): length 1.6
  Bottom w0.6: R43.2 62,19.96 v3(61.63,19.96)
Net-(U11-FB): length 2.5
  Bottom w0.95: R55.1 v3(19.52,79.8) R56.2
Net-(U16-X3): length 3.3
  Top w0.3: 38.27,15.78 U16.11
  Bottom w0.2: X1.1 38.27,15.78
  vias: v3(38.17,15.78)
Net-(U16-Y3): length 2.6
  Top w0.4: v3(35.5,17.08) U16.4
  Bottom w0.2: v3(35.5,17.08) 35.49,17.09 Y1.1

## Copper pours and planes (outline as drawn; the poured copper is in the pictures)
+5V on Top (solid shape): 8.12,83.45 8.12,81.3 9.31,81.3 9.53,80.85 12.02,80.85 12.02,83.45
+18V on In2.Cu, In3.Cu: 14.38,98.34 14.38,87.29 3.2,87.29 3.2,98.34
GND on Bottom (solid shape): 69.56,55.64 69.56,49.2 84.94,49.26 84.94,55.61
GND on Bottom (solid shape): 69.56,81.23 69.56,74.8 84.95,74.85 84.95,81.2
GND on Bottom (solid shape): 69.57,30.04 69.57,23.61 84.95,23.66 84.95,30.01
GND on Bottom (solid shape): 89.19,58.27 89.19,56.67 88.55,55.59 88.54,49.27 84.94,49.26 84.89,59.27
GND on Bottom (solid shape): 89.2,83.87 89.2,82.27 88.56,81.19 88.54,74.87 84.95,74.85 84.9,84.87
GND on Bottom (solid shape): 89.21,32.68 89.21,31.08 88.56,29.99 88.55,23.68 84.95,23.66 84.91,33.68
GND on Top, Bottom, In1.Cu, In2.Cu, In3.Cu, In4.Cu: 0,101.5 41.85,101.5 47.45,97.55 94.05,97.5 100.5,97.5 100.5,4 47.6,4.05 41.85,0 0,0
GND on Top, In1.Cu, In2.Cu, In3.Cu, In4.Cu: 88.62,81.3 88.62,74.8 69.56,74.8 69.56,81.3
GND on Top, In1.Cu, In2.Cu, In3.Cu, In4.Cu: 88.63,30.11 88.63,23.61 69.57,23.61 69.57,30.11
GND on Top, In1.Cu, In2.Cu, In3.Cu, In4.Cu: 88.62,55.7 88.62,49.2 69.56,49.2 69.56,55.7
VCC on Top, Bottom, In1.Cu, In2.Cu, In3.Cu, In4.Cu: 41.55,89.9 51.55,89.9 51.55,80.05 41.65,80.05
VCC on Top, Bottom, In1.Cu, In4.Cu: 41.61,30.51 52.25,30.5 52.11,81.7 41.61,81.71
VCC on Top, In1.Cu, In4.Cu: 41.61,38.37 41.61,30.51 84.35,30.4 91.73,31.64 91.72,36 89.2,35.99 88.52,38.5
VCC on Top, In1.Cu, In4.Cu: 41.61,89.56 41.61,81.71 84.34,81.6 91.72,82.84 91.71,87.19 89.19,87.19 88.51,89.7
VCC on Top, In1.Cu, In4.Cu: 41.6,63.97 41.6,56.11 84.33,56 91.72,57.24 91.71,61.6 89.18,61.59 88.51,64.1
VCC on Bottom: 78.33,64.01 78.32,56.04 41.66,56.13 41.59,63.97
VCC on Bottom: 78.27,89.6 78.26,81.64 41.61,81.72 41.54,89.56
VCC on Bottom: 78.34,38.41 78.34,30.45 41.68,30.53 41.61,38.37
/A_PHASE on Top, Bottom, In1.Cu, In2.Cu, In3.Cu, In4.Cu: 97.28,70.12 97.28,71.32 96.33,72.27 90,72.27 90,80.98 91.29,82.26 92.21,82.25 93.1,83.12 93.1,88.92 99.5,88.92 99.5,83.12 100,82.27 100,72.27 99.47,71.32 99.47,70.12
/B_PHASE on Top, Bottom, In1.Cu, In2.Cu, In3.Cu, In4.Cu: 97.27,44.52 97.27,45.72 96.32,46.67 89.99,46.67 89.99,55.38 91.29,56.66 92.2,56.65 93.09,57.52 93.09,63.32 99.49,63.32 99.49,57.52 99.99,56.67 99.99,46.67 99.47,45.72 99.47,44.52
/C_PHASE on Top, Bottom, In1.Cu, In2.Cu, In3.Cu, In4.Cu: 97.28,18.93 97.28,20.13 96.34,21.07 90,21.08 90.01,29.78 91.3,31.06 92.21,31.06 93.1,31.93 93.1,37.73 99.5,37.73 99.5,31.93 100,31.08 100,21.08 99.48,20.13 99.48,18.93
Vdrive on Top, Bottom: 14.38,98.34 14.38,87.29 3.2,87.29 3.2,98.34
Net-(Q2-S) on Top, Bottom, In1.Cu, In2.Cu, In3.Cu, In4.Cu: 69.56,71.45 95.5,71.45 95.5,65 88.62,64.95 69.56,64.95
Net-(Q4-S) on Top, Bottom, In1.Cu, In2.Cu, In3.Cu, In4.Cu: 69.56,45.85 95.49,45.85 95.49,39.4 88.62,39.35 69.56,39.35
Net-(Q6-S) on Top, Bottom, In1.Cu, In2.Cu, In3.Cu, In4.Cu: 69.57,20.25 95.5,20.25 95.5,13.8 88.63,13.75 69.57,13.75

Small or netless copper shapes (teardrops, artwork), in the pictures only: 111 on Top, 140 on Bottom, 54 on In2.Cu, 34 on In3.Cu, 8 on In4.Cu

## Text on the board
B.Silkscreen: 18kΩ | 1kΩ | B14 | B15 | B13 | B12 | A8 | A15 | B3 | B4 | GND | B8 | B7 | B6 | B5 | B9 | A12 | A11 | A10 | A9 | B2 | RST | A0 | VB | 5V | B10 | B1 | A4 | B0 | A5 | A3 | A6 | A2 | C13 | C14 | C15 | A7 | A1
F.Silkscreen: 1.1nF | 100Ω | 18kΩ | MUX | J_FANS | PWR | AS5600 | V-REG | BEMF | BQ-DRV | AQ-DRV | CQ-DRV | CORE
